# Allegro board trx_layout.brd (continued)
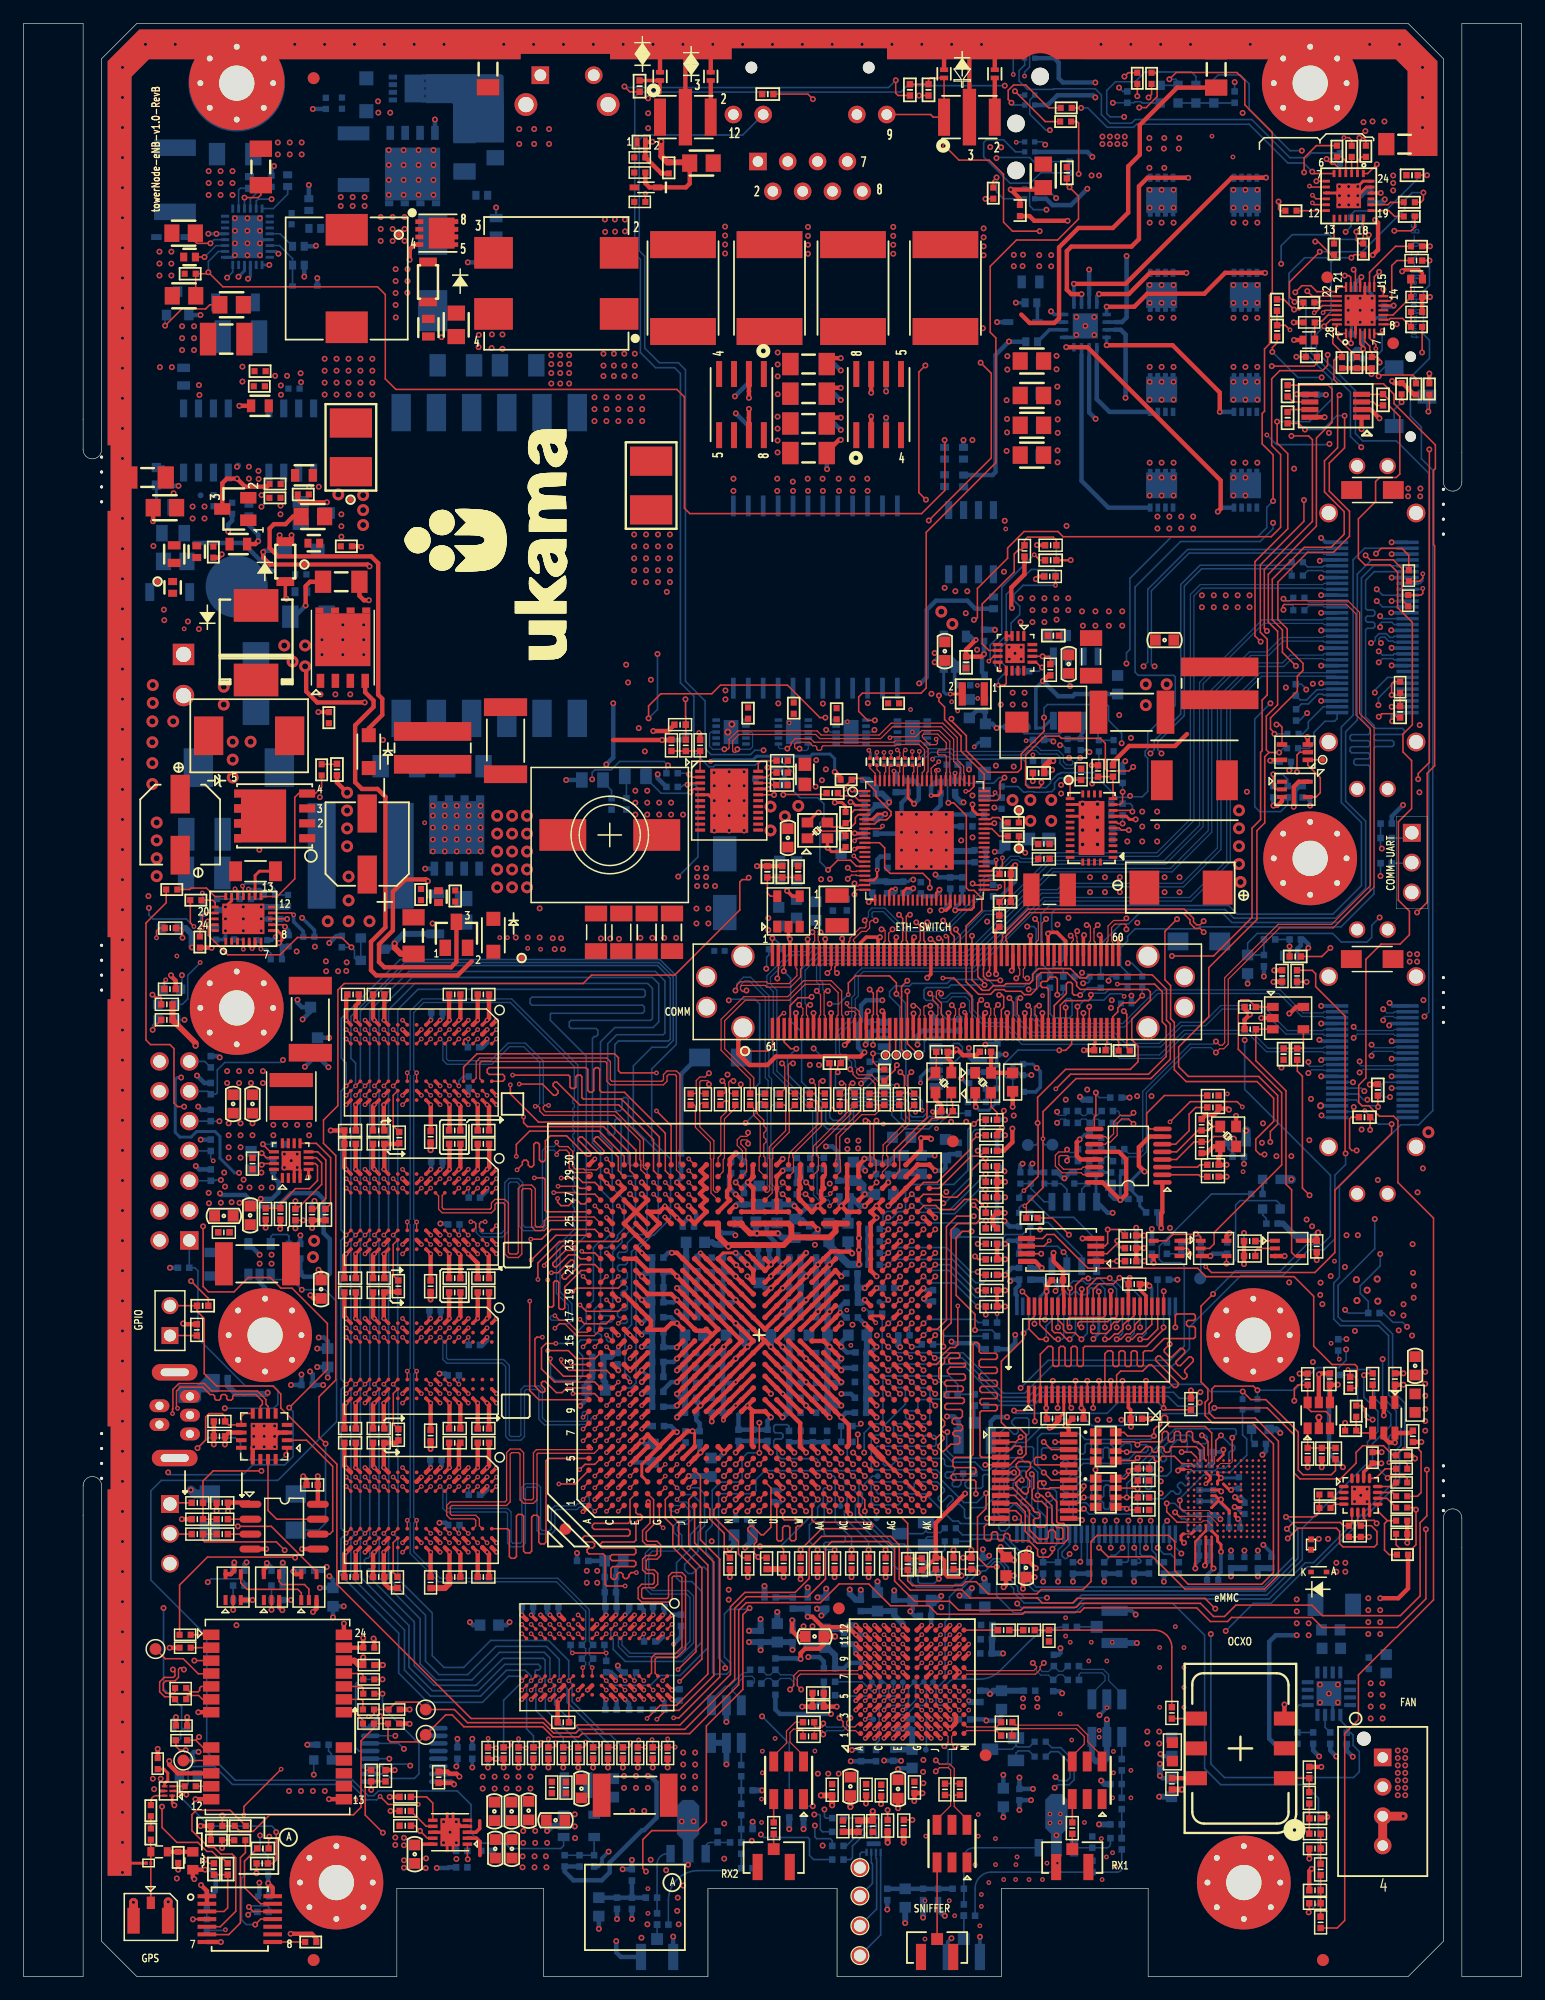
[diagram p0: board, top side]
## Routing (per net, layer and track width the routed paths; a pad name or vN(x,y) marks a point on that pad's centre or on a via; arc(x,y) is an arc through that point) (continued)
  TOP w0.508: v1(87.72,103.5) 87.46,103.5 86.95,103 R703.1 ; v1(60.11,100.12) v1(60.11,98.85) v1(61.38,98.85) ; v1(60.11,100.12) v1(60.11,101.39) v1(58.84,101.39) ; v1(60.11,100.12) v1(61.38,100.12) v1(61.38,101.39) ; v1(60.11,100.12) v1(58.84,100.12) v1(58.84,98.85) ; v1(31.62,87.95) 31.62,87.59 32.13,87.08 R104.1 ; C85.2 v1(34.68,70.36) ; C143.1 v1(30.61,26.52) ; C121.2 v2(34.68,44.91) ; U1.AE6 U1.AF5 ; C156.2 v1(70.44,14.44) ; C139.2 35.9,33.07 36.28,33.45 36.28,33.99 C137.2 ; C154.2 v1(98.69,15.92) ; C105.2 v2(34.68,57.64) ; R235.1 v1(74.98,11.41) ; R234.2 v1(73.61,11.4)
  TOP w0.762: v1(9.37,6.31) 9.37,6.31 CON1.3 ; J1.4 J1.3 v1(117.53,13.65) ; CON1.2 12.32,6.35 v1(12.33,6.36)
  L6-SIGNAL w0.254: v1(106.73,69.85) 107.06,69.85 111.56,65.35 111.56,62.33 116.65,57.24 v1(117.56,57.24) ; v1(108,69.85) 114.79,63.07 114.79,60.78 118.29,57.28 118.29,56.54 118.04,56.29 v1(117.55,56.29) 116.79,56.29 v1(116.61,56.46) ; v1(118.42,57.79) 117.12,59.1 117.12,67.11 115.7,68.53 110.98,68.53 107.65,71.86 106.38,71.86 v1(105.59,72.64) ; v1(111.36,59.64) 110.92,60.07 110.92,63.78 102,72.7 v1(101.08,72.7)
  BOTTOM w0.254: v1(112.85,140.86) 113.12,140.58 C196.2 ; v1(18.73,90.06) 18.72,90.06 ; v1(111.96,23.33) 111.78,23.33 111.53,23.08 U65.6 ; v1(95.5,68.54) 95.12,68.54 94.17,67.58 C260.2 94.17,67.13 C86.2 95.09,65.61 R132.1 ; R689.2 84.29,106.96 85.22,106.96 85.64,106.54 C652.1 ; U64.33 86.62,57.89 87.05,58.32 v1(87.15,58.32) ; v1(103.21,40.82) 103.76,40.82 104.02,40.56 C377.2 ; U64.52 96.12,58.59 v1(95.91,58.8) ; R334.1 91.15,71.4 R332.1 90.41,71.72 v1(89.97,71.28) ; R347.2 91.79,68.47 R342.1 ; C193.2 115.27,141.25 v1(114.88,140.86) ; U248.2 84.67,77.03 84.96,76.74 C650.2 85.84,76.74 v1(85.85,76.76) ; R342.1 91.8,68.45 91.37,68.02 91.37,66.01 U62.4 ; R342.1 C93.1 ; R658.2 82.23,73.76 81.41,73.76 v1(81.12,74.05) ; C626.2 75.39,93.23 75.56,93.4 v1(75.8,93.4)
  BOTTOM w0.305: v1(110.54,122.49) 110.92,122.11 J13.31 ; v1(116.59,106.88) 116.59,107.29 116.91,107.61 J13.30 ; J16.7 v1(116.55,79.64) ; v1(100.64,35) 101.09,35.45 C382.2 C379.2 ; C201.2 86.35,121.87 v1(86.33,121.88) ; C435.2 75.66,21.88 v2(74.9,21.88) ; v1(102.01,36.17) 102.01,34.42 101.77,34.18 C381.2 ; C645.2 18.52,89.25 v1(18.73,89.04) ; v1(110.43,120.54) 110.5,120.61 J13.34 ; C375.2 C374.2 101.86,40.47 v1(102.01,40.61) 102.01,40.31 102.7,39.62 C376.2 ; v1(94.74,30.82) 94.42,31.14 J18.3 ; v1(79.05,3.26) 78.73,2.94 J19.2 ; J13.19 116.58,113.11 116.56,113.13 v1(116.55,113.13) ; v1(116.51,116.13) 116.53,116.11 J13.13 ; v1(77.62,111.9) 77.62,112.01 77.92,112.31 79.03,112.31 79.34,112.01 U245.2 79.32,111.48 79.32,110.3 79.66,109.95 C634.2 ; R699.1 87.6,105.29 v1(87.73,105.15) ; v1(79.88,76.49) 80.32,76.06 R657.2 ; R63.1 86.52,119.26 v1(86.24,118.98) ; C651.2 82.04,79.44 v1(81.94,79.34) ; J13.58 v1(110.55,108.61) ; J13.52 v1(110.55,111.61) ; J19.3 v1(81.47,3.38) ; v1(116.34,80.98) 116.5,81.14 J16.4 ; v1(82.9,106.3) 83,106.4 R689.2 ; v1(116.37,82.9) 116.62,82.64 J16.1 ; J16.38 v4(110.49,74.14) ; J13.1 v1(116.55,122.11) ; v1(17.21,89.04) 17.21,88.51 16.98,88.29 C646.2 ; J13.16 116.53,114.61 v1(116.51,114.63) ; J13.22 116.58,111.61 116.56,111.63 v1(116.55,111.63) ; J16.24 v1(110.55,81.14) ; J13.43 v1(110.55,116.11) ; C372.2 103.01,41.56 v1(102.87,41.43) ; J13.7 v1(116.55,119.11) ; C370.2 101.29,43.69 C368.2 102.02,44.67 v1(102.21,44.86) ; J13.37 v1(110.55,119.11) ; C195.2 114.86,143.22 114.86,142.91 v1(114.88,142.89) ; J13.49 v1(110.55,113.11) ; J16.21 v1(110.55,82.64) ; U66.5 v2(92.29,22.89) 92.29,22.88 v1(91.66,22.25) ; v1(49.85,10.63) 49.28,10.07 49.28,9.67 48.98,9.36 R476.1 ; v1(110.39,79.76) 110.5,79.64 J16.27 ; v1(110.54,78.03) 110.66,78.14 J16.30 ; J13.29 v1(116.55,108.11) ; R464.2 v1(39.57,17.8) ; J13.3 v1(116.55,121.11) ; J13.55 v1(110.55,110.11) ; J16.13 v1(116.55,76.64) ; J13.40 v1(110.55,117.61) ; J16.33 v1(110.55,76.64) ; J13.46 v1(110.55,114.61) ; J16.10 v1(116.55,78.14)
  BOTTOM w0.381: U62.4 92.36,65.02 v1(92.78,65.02) ; C432.2 51.59,23.23 v2(51.24,23.58) ; C302.2 69.71,58.65 v1(69.67,58.61) ; R443.1 51,25.89 50.63,26.26 v1(50.63,26.47) ; J17.3 82.4,47.25 82.78,47.63 v1(83.78,47.63) ; v1(35.2,9.24) 36.17,9.24 36.22,9.3 C456.2 ; v1(64.67,41.61) 64.41,41.35 C373.2 ; v1(77.67,68.61) 78.29,68.61 78.54,68.86 C249.2 78.87,70.03 C248.2 ; C329.2 58.63,53.57 v1(58.67,53.61) ; v2(45.64,30.78) 45.58,30.85 C405.2 ; C353.2 70.07,48.01 v1(69.67,47.61) ; C316.2 55.15,56.14 v1(55.67,55.61) ; v2(42.44,30.78) 42.45,30.79 C406.2 ; C311.2 35.54,56.08 v2(35.49,56.03) ; C209.1 93.63,103.26 v1(93.85,103.48) ; v2(35.49,81.43) 35.69,81.63 R313.2 ; v2(37.89,75.03) 37.92,75.06 R324.1 ; C631.2 78.62,98.94 v1(78.6,98.95) ; v1(55.67,50.61) 55.17,50.61 54.52,49.95 C346.2 ; v1(69.67,65.61) 69.5,65.78 C263.2 ; R465.2 R466.2 v1(70.47,18.33) ; v1(79.05,54.06) 79.19,53.93 81.12,53.93 81.64,53.42 C325.2 ; C326.2 70.14,53.14 v1(69.67,53.61) 69.67,54.02 C320.2 ; J20.2 50.89,1.67 50.49,2.06 v1(50.49,3.01) ; C463.1 v1(50.56,4.89) ; C271.2 66.32,64.49 C270.2 66.67,65.45 66.67,65.61 v1(67.67,65.61) ; C261.2 74.1,66.04 v1(73.67,65.61) ; C448.2 v1(83.47,13.56) ; v2(51.67,43.61) 51.82,43.76 C367.2 ; v2(50.44,30.78) 50.53,30.87 C404.2 50.53,32.67 C392.2 C391.2 50.48,34.78 C383.2 ; v1(37.14,17.02) 36.92,17.23 35.35,17.23 U68.15 ; v1(63.67,60.61) 63.67,61.1 63.53,61.24 C278.2 ; 57.67,57.61 57.46,57.41 C308.2 C315.2 ; C257.2 74.25,69.9 C258.2 73.64,69.29 R345.1 72.28,69.64 v1(71.64,69.64) ; v1(69.67,49.61) 70.49,49.61 C347.2 ; v1(20.09,7.99) 20.09,6.93 C606.1 ; C264.2 61.37,67.29 v1(61.7,67.61) 62,67.31 C262.2 ; v1(107.83,102.69) 107.97,102.84 C206.2 ; v1(94.79,63.75) R370.1 R379.1 ; C314.2 58.67,56.18 58.67,56.61 58.63,56.65 C307.2 ; v1(13.21,126.92) 12.68,126.92 12.3,127.3 12.3,128.1 11.92,128.48 D24.K ; v1(109.45,87.58) 109.45,87.91 109.06,88.3 C235.2 108.81,87.81 108.5,87.5 U57.3 ; v1(96.85,18.95) 97.04,18.76 C437.2 ; C430.2 83.31,22.17 82.93,21.79 v1(82.02,21.79) 81.92,21.89 C434.2 ; R418.1 39.07,41.02 39.49,41.44 v2(39.49,41.73) ; C238.2 v1(104.28,84.54) ; v1(66.33,22.98) 66.35,22.99 67.48,22.99 68.18,23.69 R445.2 R444.2 ; v1(69.67,59.61) 69.92,59.87 C292.2 ; v1(14.91,19.13) 14.53,19.13 14.39,18.99 C441.1 ; R368.2 82.93,65.02 R365.2 82.93,65.03 R355.2 v1(83.62,66.34) ; C632.2 72.55,93.26 ; v1(111.82,18.74) 111.32,19.25 C436.1 ; v1(63.38,102.94) 64.39,102.94 64.83,102.5 C620.2 ; v1(99.3,62.64) 99.16,62.5 C276.2 ; R117.2 v1(94.22,74.84) ; C283.2 54.92,61.62 v1(55.22,61.62) ; R291.1 v1(46.23,101.88) ; R433.2 v1(88.13,33.62) ; v1(77.29,82.02) 77.31,82.02 77.69,81.64 U58.1 ; v1(23.34,83.17) 23.34,82.92 23.72,82.53 C239.2 24.45,82.17 v1(23.78,81.49) ; R318.1 16.6,78.37 v1(16.71,78.26) ; v1(63.67,58.61) 63.12,58.61 C293.2 ; C654.1 26.65,88.6 v1(26.05,88) ; v1(26.37,30.58) C394.2 v1(27.28,31.52) ; v1(24.79,66.04) 24.56,65.81 C266.2 ; C378.2 62.11,38.45 C380.2 ; v1(85.95,69.21) 85.81,69.08 R351.2 R350.2 ; v2(39.49,67.13) 39.49,66.92 R356.1 ; v1(55.34,3.4) 55.35,3.4 J20.3 ; v1(101.11,61.34) 101.31,61.54 C275.2 ; v2(35.49,43.33) 35.62,43.46 C369.2 ; v1(74.5,17.65) 74.58,17.73 75.67,17.73 C440.2 ; v1(35.44,38.63) 35.98,38.63 R421.1 ; R389.2 v1(83.62,59.74) 84.21,60.33 C286.2 ; C619.2 72.62,99.67 71.71,98.75 C644.2 ; v1(19,35.26) 18.82,35.09 C389.2 ; C211.2 106.47,99.7 v1(106.48,99.7) ; U68.8 29.54,21.34 v1(30.38,22.18) ; C254.2 35.69,68.93 v2(35.49,68.73) ; C397.2 v1(19.51,32.06) ; v1(78.6,94.51) 78.97,94.88 C625.2 ; 22.02,87.75 22.06,87.71 C647.2 ; 22.02,87.75 R649.1 ; 22.02,87.75 v1(21.77,88) ; C431.2 54.59,23.44 v2(54.44,23.58) ; v1(25.83,34.87) 25.5,34.54 C390.2 ; R387.1 v1(12.48,60.35) ; C629.2 74.68,97.32 v1(74.79,97.43) ; v1(55.67,59.61) 55.34,59.95 C291.2 C299.2 C309.2 55.38,57.41 55.58,57.61 v1(55.67,57.61) ; v2(57.67,61.61) 57.41,61.35 C282.2 ; v2(54.44,29.18) 54.44,28.91 54.06,28.53 R440.1 ; C345.2 47.99,49.15 v1(47.42,48.59) ; v1(109.6,99.7) 109.6,100.1 109.3,100.4 C210.2 ; C269.2 56.16,64.1 v1(56.67,64.61) ; v1(12.99,22.08) 12.75,21.84 R447.2 ; v1(76.67,58.61) 76.84,58.45 C304.2 ; R384.1 v1(95.48,60.91) ; J17.2 79.66,47.3 79.27,47.69 v1(78.67,47.69) ; v2(52.67,46.61) 52.92,46.87 C358.2 ; v2(61.67,48.61) 60.9,47.85 C361.2 C360.2 C359.2 63.38,47.32 v1(63.67,47.61) ; v2(39.49,79.83) 39.49,79.5 39.11,79.12 R317.1 ; R354.1 R339.1 64.79,68.73 v1(64.67,68.61) ; Q34.3 31.13,87.47 v1(31.62,87.95) ; R353.2 R341.2 83.13,68.99 v1(83.56,68.55) ; C251.2 56.02,76.84 57.43,78.25 C242.1 ; v1(59.67,44.61) 59.2,44.15 C371.2 ; C438.2 v1(38.23,20.24) ; v2(54.44,30.78) 54.59,30.93 C402.2 ; C622.2 75.32,100.46 74.79,99.93 v1(74.79,98.95) ; v1(50.24,108.41) 50.24,103.79 v1(49.65,103.2) ; v1(69.67,51.61) 69.88,51.82 C333.2 ; v1(60.64,63.11) 60.45,63.3 C274.2 ; v1(66.86,27.2) 67.8,27.2 68.18,26.82 C424.2 ; C433.2 50.53,23.5 v2(50.44,23.58) ; v1(77.33,98.95) 78.12,99.74 C627.2 78.12,100.85 ; C439.2 v1(36.96,20.24) ; R375.1 23.58,63.1 v1(23.59,63.11) ; C639.2 81.19,107.78 C638.2 81.9,106.71 C635.2 82.54,106.66 v1(82.9,106.3) ; R343.1 61.3,69.49 v1(60.69,70.1) 60.28,69.69 R344.1 ; v1(96.12,63.65) 96.13,63.64 C277.2 ; C401.2 74.23,32.02 C393.2 75.75,31.29 v1(75.54,31.09) 75.92,30.71 C407.2 ; 56.97,46.46 v1(56.99,46.43) ; v1(56.99,46.43) C366.2 ; v1(56.99,46.43) C365.2 57.59,47.1 57.31,47.39 C357.2 57.31,48.25 v1(57.67,48.61) ; v1(82.74,95.77) 83.28,95.77 83.6,96.09 C624.2 ; R642.1 20.27,90.04 v1(20.25,90.06) ; R449.1 109.86,19.25 v1(110.37,18.74) ; R408.1 35.98,51.33 v1(35.44,51.33) ; v1(78.6,97.43) 79.11,97.93 C640.2 ; C462.1 v1(51.83,4.9) ; U59.1 78.42,77.89 v1(79.46,78.93) ; C403.2 52.84,31.19 v2(52.84,30.78) ; C410.2 38.28,29.92 v1(38.03,30.17) ; C339.2 C332.2 55.38,52.33 v1(55.67,52.61) ; v1(83.62,71.63) R333.2 R337.2 ; C181.2 v1(110.95,134.68) ; C408.2 56.01,28.93 v2(55.38,28.3) ; v1(25.98,77.42) 25.98,77.43 C241.2 24.87,78.36 v1(23.97,77.46) ; C464.2 v1(49.01,4.06) ; v1(68.36,70.67) 68.93,70.67 69.4,70.21 69.4,70.15 69.41,70.14 69.41,69.66 69.4,69.65 C259.2 ; R383.2 R374.2 v1(83.62,62.38) 83.89,62.65 R371.2 84.83,61.56 R382.2 ; R475.2 36.86,11.38 v1(36.87,11.4) ; v1(25.92,51) 25.92,51 C331.2 v1(25.02,51.89) ; v1(55.65,53.57) 54.54,53.57 C324.2 C318.2 ; C428.2 55.33,23.5 v2(55.24,23.58) ; v2(39.49,54.43) 39.49,54.16 39.11,53.77 R405.1 ; v1(35.51,64.11) 36.11,64.11 R366.1 ; H5.2 20.58,58.64 20.12,59.1 20.12,59.78 U63.2 ; C267.2 v1(23.16,63.7) ; C240.2 v1(94.38,83.52) ; C287.2 57.41,59.87 57.67,59.61 57.41,59.35 C303.2 ; v1(55.67,48.61) 55.58,48.61 55.48,48.52 C352.2 ; C317.2 70.01,56.11 v2(69.57,56.56) 69.57,57.02 69.94,57.38 C310.2 ; C628.2 79.97,93.59 C643.2 77.92,93.59 v1(77.69,93.83)
  BOTTOM w0.508: v1(59.88,18.07) U67.2 U67.1 ; v1(80.08,99.97) 79.87,99.97 79.36,100.48 C633.2 ; LED10.2 13.81,89.27 14.32,88.76 14.32,87.66 v1(14.35,87.62) ; C279.2 67.52,60.76 v1(67.67,60.61) 67.52,60.46 C288.2 C296.2 C305.2 67.67,57.26 v1(67.67,56.61) 67.52,56.46 C312.2 ; R646.1 16.93,90.79 v1(17.21,91.07) ; R468.2 v1(66.45,12.55) ; v1(78.6,95.91) 78.67,95.84 80.95,95.84 C641.2 ; v1(105.15,34.08) C385.2 C384.2 ; C413.2 65.51,30.3 v1(65.48,30.33) ; U69.2 45.04,12.83 v1(44.61,12.4) ; v1(91.8,16.68) 92.1,16.38 C444.2 ; R641.2 82.74,114.67 v1(82.75,114.66) ; R469.1 v1(65.23,12.55) ; U66.1 91.02,18.66 91.35,18.32 92.05,18.32 92.29,18.56 U66.2 v1(92.29,21.88) ; C458.1 77.9,5.75 v1(78.49,5.17) ; J18.2 v1(94.84,28.4) ; R644.1 22.46,91.07 v1(20.25,91.07) ; C273.2 70.24,61.93 v1(70.6,61.57) ; v1(72.67,58.61) 72.68,58.63 R391.1 ; C401.2 v1(74.17,32.87) ; v1(61.47,36.53) 62.11,37.16 C380.2 ; C451.2 v1(91.62,12.95) ; C414.2 69.58,29.59 C415.2 69.9,29.51 70.29,29.91 v2(70.9,29.91) ; C345.2 47.99,50.53 48.45,50.98 C338.2 R406.2 ; C461.2 v1(75.11,4.55) ; C445.2 v1(96.74,15.31) ; v1(81.83,33.89) 81.83,33.87 81.89,33.81 C396.2 ; v1(87.15,58.32) 87.15,59.09 C295.2 86.9,59.33 C294.2 ; v1(66.67,57.61) 66.46,57.41 C306.2 ; C459.1 v1(76.63,5.02) ; v1(89.99,74.9) 90.24,74.66 R327.1 ; C409.1 82.53,28.75 C416.1 82.5,27.54 C418.2 v1(83.44,27.51) ; v2(80.52,23.48) 80.64,23.37 C429.2 ; v1(22.09,35.23) C388.2 22.09,34.55 R435.1 ; 66.2,60.08 v1(66.67,59.61) ; 66.2,60.08 C289.2 C297.2 C306.2 ; 66.2,60.08 C280.2 66.27,61.22 v1(66.67,61.61) ; v1(57.67,48.61) 57.67,48.65 57.31,49.01 C351.2 ; 18.29,128.65 v1(18.19,128.55) ; v1(31.62,87.95) 31.62,88.03 32.36,88.77 D26.2 ; R694.2 71.97,101.9 72.61,101.26 R639.1 73.13,100.72 73.74,100.12 v1(73.74,99.98) 73.48,99.72 C619.2 ; C412.2 v1(64.21,31.04) ; C313.2 C306.2 ; R705.1 v1(87.72,103.5) ; v1(107.06,46.29) 106.75,46.59 LED6.2 ; v1(102.86,34.08) C387.2 C386.2 ; C626.2 74.92,93.2 C621.2 73.51,93.26 72.55,93.26 ; C607.1 114.7,151.98 114.23,151.98 113.88,151.63 v1(113.66,151.63) ; C622.2 75.31,100.84 C642.2 ; v1(63.66,53.62) C319.2 ; U67.5 v1(59.88,21.68) ; C399.1 v1(66.8,33.12) ; C447.2 v1(62.92,15.85) ; C398.2 v1(72.75,33.63) ; R103.1 v1(24.18,19.74) ; C452.2 v1(62.11,13.18) ; U70.2 v1(87.99,12.03) ; U71.2 v1(56.62,9.53) ; C395.2 v1(63.12,33.25)
  BOTTOM w0.762: LED3.2 v1(108,67.87) ; LED2.2 v1(104.16,72.02) ; SW1.2 14.6,41.08 v1(14.25,41.43)
  vias: v1(11.13,15.95) v1(12.79,126.3) v1(14.01,115.38) v1(14.95,114.73) v1(17.21,90.06) v1(17.48,72.64) v1(17.48,71.63) v1(17.48,70.61) v1(17.48,69.72) v1(17.73,65.93) v1(18.49,72.64) v1(18.49,71.63) v1(18.49,70.61) v1(18.49,69.72) v1(18.4,65.88) v1(18.73,91.07) v1(19.2,128.55) v1(19.2,127.54) v1(19.51,72.64) v1(19.51,71.63) v1(19.61,46.88) v1(19.61,45.99) v1(20.25,89.04) v1(20.5,46.88) v1(20.5,45.99) v1(20.5,45.1) v1(21.39,46.88) v1(21.39,45.1) v1(22.23,70.03) v1(22.23,68.88) v1(22.81,69.47) v1(23.32,70.03) v1(25.25,100.42) v1(25.3,109.17) v1(26.57,109.17) v1(27.84,109.17) v1(32.42,9.9) v1(32.42,9.26) v1(34.29,10.06) v1(34.26,9.23) v1(35.78,13.17) v1(35.78,11.4) v1(36.88,10.01) v1(42.23,157.3) v1(42.23,156.03) v1(42.57,12.4) v1(42.57,11.38) v1(43.5,157.3) v1(43.5,156.03) v1(43.59,12.4) v1(43.59,11.38) v1(43.97,90.95) v1(44.61,11.38) v1(44.77,157.3) v1(44.77,156.03) v1(45.09,88.4) v1(45.25,87.47) v1(45.8,88.4) v1(45.95,87.47) v1(49.19,88.39) v1(49.99,88.38) v1(50.73,88.35) v1(51.87,14.1) v1(52.02,122.78) v1(52.02,121.77) v1(52.02,120.75) v1(52.02,119.74) v1(52.02,118.72) v1(52.41,106.29) v1(52.55,88.44) v1(52.64,3.3) v1(52.88,14.1) v1(53.04,122.78) v1(53.04,121.77) v1(53.04,120.75) v1(53.04,119.74) v1(53.04,118.72) v1(53.15,4.45) v1(53.43,9.94) v1(53.57,88.44) v1(54.05,122.78) v1(54.05,121.77) v1(54.05,120.75) v1(54.05,119.74) v1(54.05,118.72) v1(54.58,88.44) v1(54.74,9.05) v1(54.8,117.89) v1(55.07,122.78) v1(55.07,121.77) v1(55.07,120.75) v1(55.07,119.74) v1(55.07,118.72) v1(55.6,88.44) v1(55.69,5.59) v1(55.73,6.71) v1(55.82,4.45) v1(56.07,13.21) v1(56.2,7.75) v1(57.09,13.21) v1(57.38,94.37) v1(57.38,93.61) v1(57.38,92.85) v1(57.33,90.93) v1(57.33,89.66) v1(58.15,94.37) v1(58.15,93.61) v1(58.15,92.85) v1(58.34,90.93) v1(58.34,89.66) v1(58.82,102.51) v1(58.84,97.58) v1(58.91,92.85) v1(60.11,102.58) v1(60.11,97.58) v1(61.38,102.58) v1(61.38,97.58) v1(62.04,11.56) v1(74.79,95.91) v1(74.79,94.51) v1(76.06,98.95) v1(76.06,97.43) v1(76.06,95.91) v1(76.06,94.51) v1(77.22,90.75) v1(77.33,97.43) v1(77.33,95.91) v1(77.33,94.51) v1(77.61,112.69) v1(78.18,31.44) v1(78.47,118.24) v1(79.38,117.95) v1(79.88,96.73) v1(80.4,117.95) v1(83.97,113.19) v1(83.97,112.17) v1(84.37,101.87) v1(84.46,112.66) v1(84.99,113.19) v1(84.99,112.17) v1(90.17,116.24) v1(90.25,115.02) v1(90.86,93.6) v1(90.86,92.33) v1(91.31,116.24) v1(91.31,115.02) v1(92.13,93.6) v1(92.13,92.33) v1(92.46,116.24) v1(92.46,115.02) v1(93.4,93.6) v1(93.4,92.33) v1(93.6,116.24) v1(93.6,115.02) v1(94.87,74.96) v1(96.09,74.96) v1(97.21,93.6) v1(97.21,92.33) v1(97.66,63.74) v1(98.48,93.6) v1(98.48,92.33) v1(107.16,77.39) v1(107.82,59.1) v1(109.53,71.21) v1(109.68,74.73) v1(110.49,59.08) v1(110.47,58.04) v1(110.44,24.86) v1(110.44,23.33) v1(110.65,57.25) v1(111.2,24.09) v1(111.96,24.86) v1(112.1,152.41) v1(112.1,150.85) v1(112.56,60.41) v1(112.71,63.12) v1(112.88,152.41) v1(112.88,151.63) v1(112.88,150.85) v1(112.85,142.89) v1(112.85,141.87) v1(113.39,41.5) v1(113.39,40.44) v1(113.42,54.97) v1(113.66,150.86) v1(113.67,63.12) v1(113.86,142.89) v1(113.86,140.86) v1(113.99,72.12) v1(113.91,40.97) v1(114.15,157.89) v1(114.31,157.13) v1(114.46,41.5) v1(114.56,32.21) v1(114.56,31.19) v1(114.56,30.18) v1(114.56,29.16) v1(114.88,141.87) v1(114.92,157.95) v1(115.37,67.82) v1(115.57,31.19) v1(115.57,30.18) v1(115.57,29.16) v1(115.93,157.95) v1(117.15,55.02) v1(118.29,54.57) v1(118.33,62.36) v1(118.37,59.92) v1(118.44,58.83) v1(119.26,83.13) v1(119.21,68.81) v2(13.69,114.75) v2(34.17,98.24) v2(53.19,7.48) v2(53.19,5.38) v2(62.87,15.11) v2(62.87,13.12) v2(62.94,19.18) v2(62.94,17.34) v2(64.03,20.27) v2(65.23,106.74) v2(67.41,19.2) v2(70.19,106.84) v2(75.57,107.87) v2(75.72,105.96) v2(76.79,6.45) v2(76.79,3.19) v2(76.86,11.95) v2(78.86,6.45) v2(79.32,5.18) v2(80.52,24.28) v2(80.52,22.68) v2(81.07,9.52) v2(81.33,13.8) v2(81.33,11.95) v2(81.47,4.32) v2(81.6,6.99) v2(81.6,5.97) v2(82.23,8) v2(82.79,11.74) v2(82.8,9.52) v2(83.5,8.26) v2(84.54,9.52) v2(84.52,8.26) v2(84.64,10.18) v2(85.66,8.26) v2(86.8,8.26) v2(87.18,9.65) v2(87.44,13.84) v2(87.44,13.08) v2(88.07,9.65) v2(88.31,22.37) v2(88.33,13.84) v2(88.31,13.12) v2(88.78,30.55) v2(88.78,28.99) v2(89.17,28.46) v2(89.29,20.13) v2(90.38,13.12) v2(90.74,26.87) v2(90.96,28.46) v2(91.63,20.95) v2(91.63,20.38) v2(91.81,11.74) v2(91.88,8.26) v2(92.29,26.87) v2(92.25,10.18) v2(92.75,28.46) v2(92.78,15.21) v2(92.77,10.54) v2(92.85,19.17) v2(92.85,17.34) v2(93.03,9.4) v2(94.34,17.55) v2(94.34,15.21) v2(96.79,28.01) v2(96.79,26.31) v2(96.79,22.93) v2(98.12,29.79) v2(98.85,28.01) v2(98.85,26.31) v2(98.85,24.62) v2(98.85,22.93) v2(102.55,75.15) v2(111.67,60.91) v3(11.01,109.96) v3(11.01,108.44) v3(11.35,98.26) v3(11.35,96.74) v3(11.35,95.21) v3(11.35,93.69) v3(17.06,109.82) v3(17.06,108.3) v3(27.57,99.28) v3(27.57,97.75) v3(27.57,96.23) v4(60,105.95) v4(60.34,106.63) v4(90.22,97.61) v4(90.22,96.39) v4(91.49,99.82) v4(91.49,98.7) v4(91.49,97.61) v4(91.49,96.39) v4(113.54,59.33) v4(113.59,57.56) v4(114.46,58.44) v4(115.32,59.39) v4(115.37,57.51)
